# Altium PCB 0020-03_FFT2G.PcbDoc (part 8 of 16)
Units mm, origin at the board's own origin, x right, y up, seen from the top; angles counter-clockwise.
Board outline 195 x 104.5 mm, 12 copper layers (Top Layer, GND1, LVDS1, PWR1, LVDS2, PWR2, LVDS3, PWR3, SIG1, SIG2, GND2, Bottom Layer), stack 1.422 mm thick; 721 components, 650 nets, 4014 pads, 3497 vias.
Unrouted connection lines stored in the file: 78.
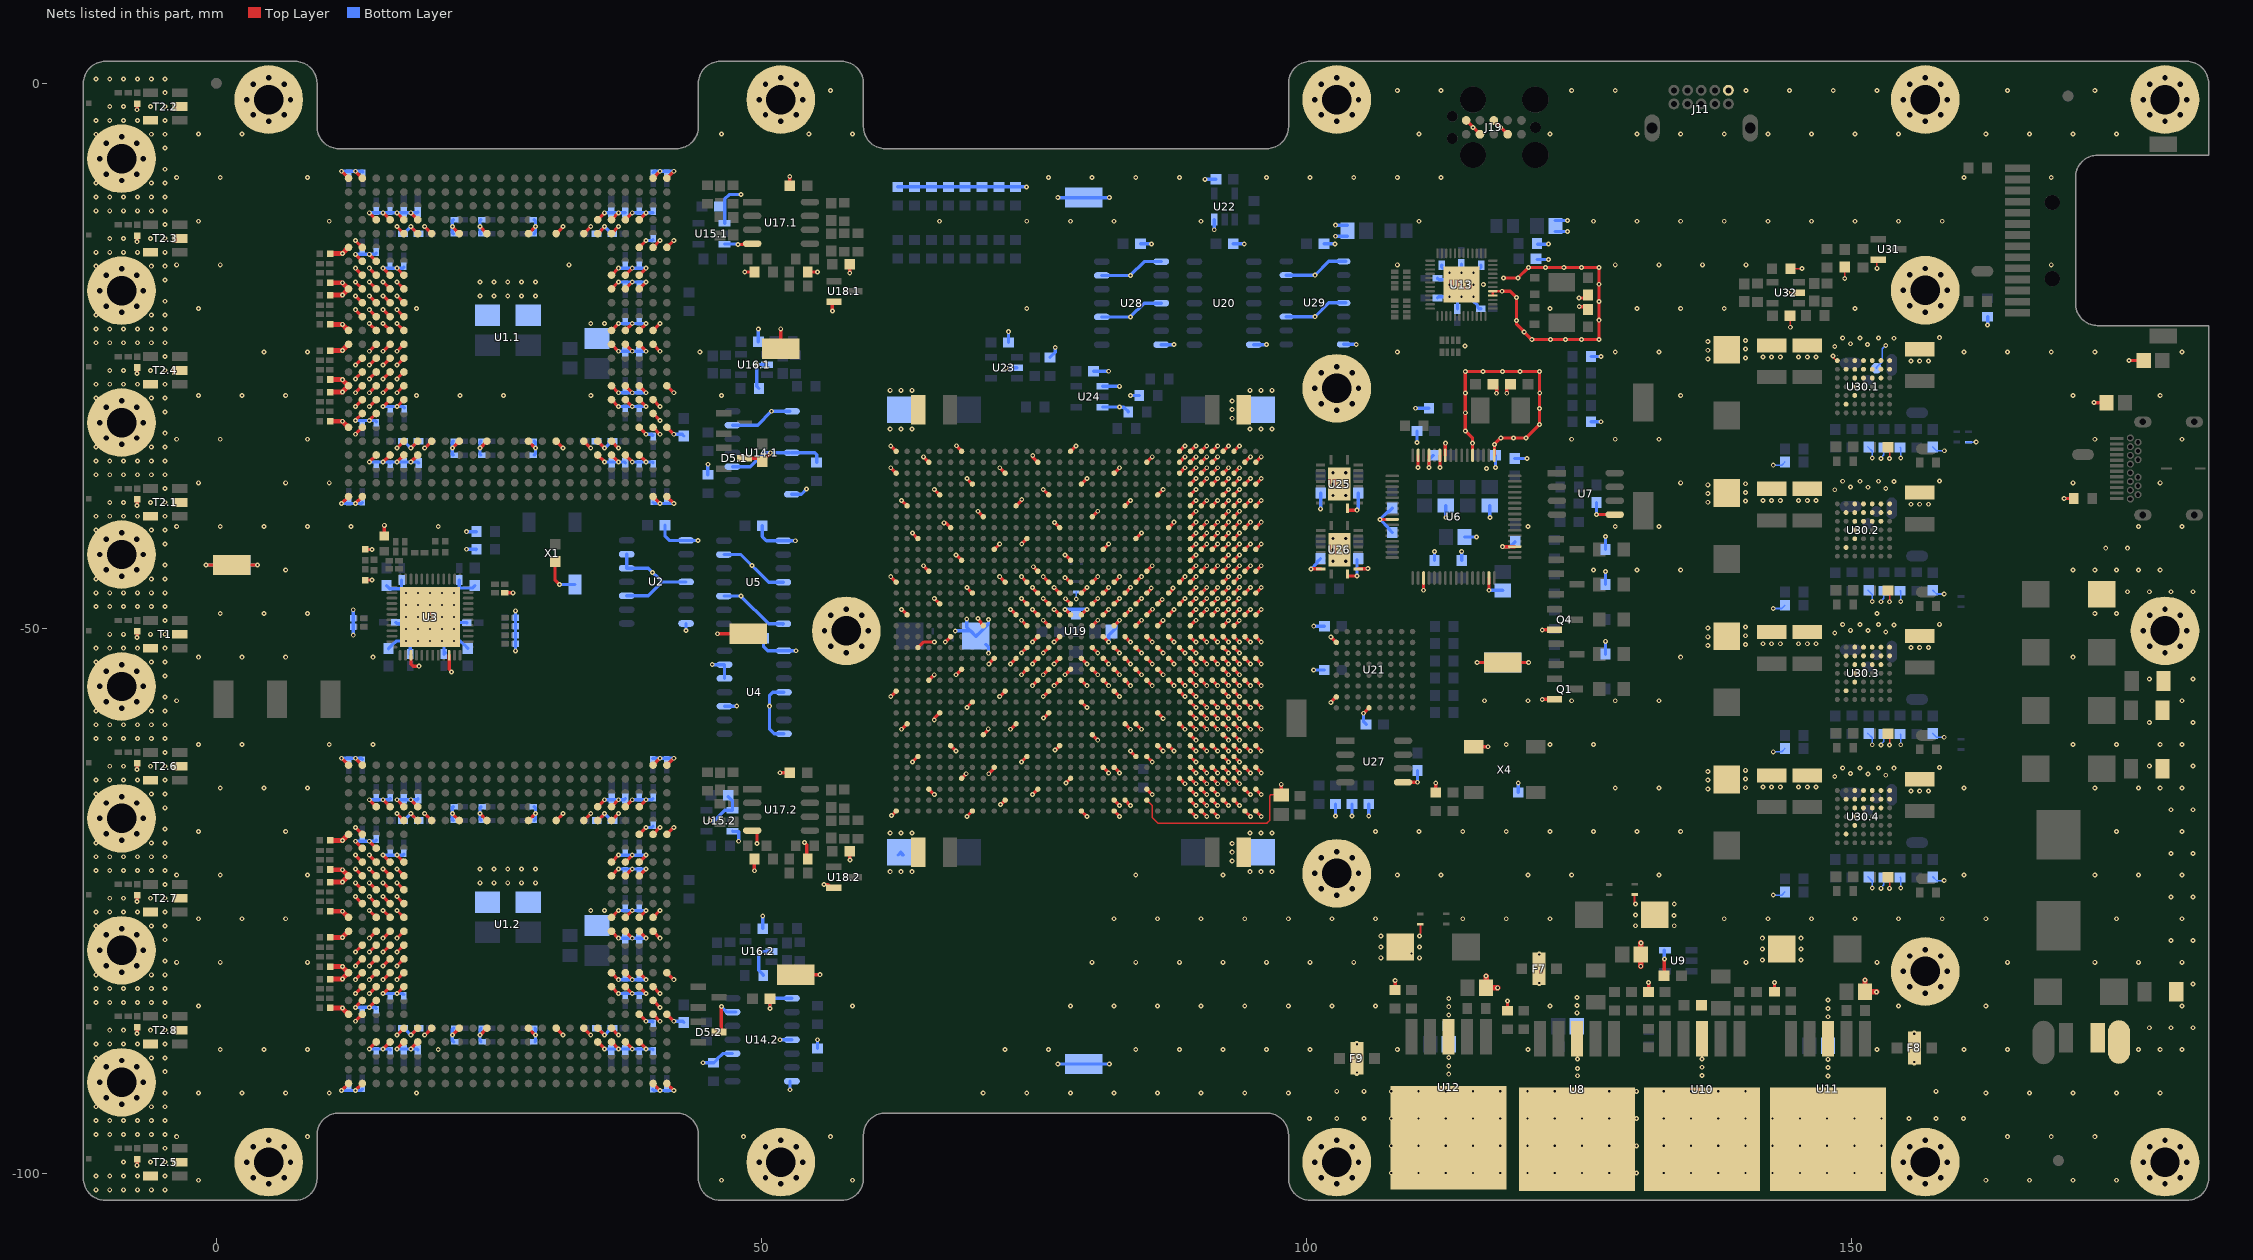
[diagram p18: the nets of this part, all layers, seen from the top]

## Via types
v1: diameter 0.45, hole 0.2, Top Layer to Bottom Layer, tented both sides, 3249 vias
v2: diameter 1, hole 0.5, Top Layer to Bottom Layer, tented both sides, 192 vias
v3: diameter 0.5, hole 0.2, Top Layer to Bottom Layer, tented both sides, 34 vias
v4: diameter 0.6, hole 0.3, Top Layer to Bottom Layer, tented both sides, 12 vias
v5: diameter 0.6, hole 0.2, Top Layer to Bottom Layer, tented both sides, 6 vias
v6: diameter 0.45/0.45/0.45/0.45/0.45/0.45/0.45 (per signal layer), hole 0.2, Top Layer to Bottom Layer, tented both sides, 4 vias

## Nets (pads, with @x,y where several pads share a name; then routed paths per layer and width w, separated by ;. In a path a pad name is that pad's centre, name@x,y a point inside that pad or via, vN(x,y) a via of type N, cw(c..) or ccw(c..) an arc to the next point about the centre after c; other vN are vias at no path point) (continued)
GND: C1.1.2 C1.2.2 C2.1.2 C2.2.2 C3.1.1 C3.2.1 C5.1.1 C5.2.1 C8.1 C9.1 C10.1 C11.1 C13.1 C14.1 C15.1 C16.1 C17.1 C18.1 C21.1 C23.1 C26.2 C28.1 C29.2 C36.1 C37.2 C38.2 C39.2 C40.2 C41.1 C42.2 C43.2 C44.2 C45.1 C46.1 C47.1 C48.1 C49.1 C50.1 C51.1 C52.1 C54.2 C55.2 C57.2 C58.2 C59.2 C61.2 C63.2 C64.2 C65.1 C66.2 C68.2 C69.2 C70.1 C71.2 C72.1 C73.2 C74.1 C75.2 C76.2 C77.2 C78.2 C79.2 C80.2 C81.2 C82.1 C83.1 C84.1.1 C84.2.1 C88.1.1 C88.2.1 C89.1.2 C89.2.2 C90.1.1 C90.2.1 C91.1.1 C91.2.1 C92.1.1 C92.2.1 C93.1.1 C93.2.1 C94.1.1 C94.2.1 C95.1.1 C95.2.1 C96.1.1 C96.2.1 C97.1.1 C97.2.1 C98.1.1 C98.2.1 C99.1.1 C99.2.1 C100.1.1 C100.2.1 C101.1.1 C101.2.1 C102.1.1 C102.2.1 C103.1.1 C103.2.1 C104.1.1 C104.2.1 C105.1.1 C105.2.1 C106.1.1 C106.2.1 C107.1.1 C107.2.1 C108.1.1 C108.2.1 C109.1.1 C109.2.1 C110.1.1 C110.2.1 C111.1.1 C111.2.1 C112.1.1 C112.2.1 C113.1.1 C113.2.1 C114.1.1 C114.2.1 C115.1.1 C115.2.1 C116.1.1 C116.2.1 C117.1.1 C117.2.1 C118.1.1 C118.2.1 C119.1.1 C119.2.1 C120.1.1 C120.2.1 C121.1.1 C121.2.1 C122.1.1 C122.2.1 C123.1.1 C123.2.1 C124.1.1 C124.2.1 C125.1.1 C125.2.1 C126.1.1 C126.2.1 C127.1.1 C127.2.1 C128.1.1 C128.2.1 C129.1.1 C129.2.1 C130.1.1 C130.2.1 C131.1.1 C131.2.1 C132.1.1 C132.2.1 C133.1.1 C133.2.1 C134.1.1 C134.2.1 C135.1.1 C135.2.1 C136.1.1 C136.2.1 C137.1.1 C137.2.1 C138.1.2 C138.2.2 C139.1.1 C139.2.1 C140.1.1 C140.2.1 C141.1.1 C141.2.1 C142.1.1 C142.2.1 C143.1.1 C143.2.1 C144.1.1 C144.2.1 C145.1.1 C145.2.1 C146.1.1 C146.2.1 C147.1.1 C147.2.1 C148.1.1 C148.2.1 C149.1.1 C149.2.1 C150.1.1 C150.2.1 C151.1.1 C151.2.1 C152.1.1 C152.2.1 C153.1.1 C153.2.1 C154.1.1 C154.2.1 C155.1.2 C155.2.2 C156.1.1 C156.2.1 C157.1.1 C157.2.1 C161.2 C162.2 C163.2 C164.2 C165.2 C166.2 C167.1 C168.2 C169.2 C170.2 C171.2 C172.2 C173.2 C174.2 C176.2 C177.1 C178.2 C179.1 C180.1 C181.2 C182.2 C185.2 C187.1.2 C187.2.2 C187.3.2 C187.4.2 C188.1.2 C188.2.2 C188.3.2 C188.4.2 C189.2 C190.2 C191.2 C192.2 C193.1.2 C193.2.2 C193.3.2 C193.4.2 C194.2 C195.1.2 C195.2.2 C195.3.2 C195.4.2 C199.1.2 C199.2.2 C199.3.2 C199.4.2 C200.1.2 C200.2.2 C200.3.2 C200.4.2 C201.1.2 C201.2.2 C201.3.2 C201.4.2 C203.1 C204.1 D5.1.3 D5.2.3 F2.2 F3.1 F4.1 F7.3 F8.3 F9.3 J11.1 J19.3 J19.5 J19.7 J19.9 J20.1.1 J23.1 P1.MH P2.MH P3.MH P4.MH P5.MH P6.MH P7.MH P8.MH P9.MH P10.MH P11.MH P12.MH P13.MH P14.MH P15.MH P16.MH P17.MH P18.MH P19.MH P20.MH P21.2 P25.1 P26.MH P27.MH P28.MH P29.MH P31.1.2 P31.2.2 P31.3.2 P31.4.2 Q1.2 Q4.2 R3.1 R4.1 R5.2 R6.2 R7.2 R8.2 R9.2 R10.2 R11.1 R12.1 R16.2 R18.2 R19.2 R25.1 R28.1 R29.1 R33.2 R40.2 R43.2 R46.2 R47.1.1 R47.2.1 R47.3.1 R47.4.1 R51.2 R56.1 R57.1 R62.1.1 R62.2.1 R64.1.1 R64.2.1 R68.1.1 R68.2.1 R71.1.1 R71.2.1 R76.1.1 R76.2.1 R81.1.1 R81.2.1 R81.3.1 R81.4.1 R81.5.1 R81.6.1 R81.7.1 R81.8.1 R82.1.2 R82.2.2 R82.3.2 R82.4.2 R82.5.2 R82.6.2 R82.7.2 R82.8.2 R83.1.2 R83.2.2 R83.3.2 R83.4.2 R83.5.2 R83.6.2 R83.7.2 R83.8.2 R92.1 R93.1 R94.1 R95.1 R96.1 R97.1 R98.1 R99.1 R102.1 R113.1 R117.1 R118.1 R119.1 R120.1 R125.1 R126.1 R127.1 R128.2 R129.2 R131.1.1 R131.2.1 R131.3.1 R131.4.1 R137.1 R142.2 R143.2 R145.1.2 R145.2.2 R145.3.2 R145.4.2 T1.2 T1.4 T2.1.2 T2.1.4 T2.2.2 T2.2.4 T2.3.2 T2.3.4 T2.4.2 T2.4.4 T2.5.2 T2.5.4 T2.6.2 T2.6.4 T2.7.2 T2.7.4 T2.8.2 T2.8.4 TP1.1 TP2.1 TP3.1 TP4.1 TP5.1 TP7.1 TP8.1 TP9.1 TP10.1 U1.1.A1 U1.1.A6 U1.1.A9 U1.1.A12 U1.1.A13 U1.1.A16 U1.1.A19 U1.1.A24 U1.1.AA4 U1.1.AA8 U1.1.AA9 U1.1.AA12 U1.1.AA13 U1.1.AA16 U1.1.AA17 U1.1.AA21 U1.1.AB4 U1.1.AB6 U1.1.AB8 U1.1.AB9 U1.1.AB12 U1.1.AB13 U1.1.AB16 U1.1.AB17 U1.1.AB19 U1.1.AB21 U1.1.AC1 U1.1.AC6 U1.1.AC7 U1.1.AC8 U1.1.AC12 U1.1.AC13 U1.1.AC19 U1.1.AC24 U1.1.AD1 U1.1.AD6 U1.1.AD9 U1.1.AD19 U1.1.AD24 U1.1.B1 U1.1.B6 U1.1.B7 U1.1.B8 U1.1.B9 U1.1.B10 U1.1.B11 U1.1.B14 U1.1.B15 U1.1.B16 U1.1.B17 U1.1.B18 U1.1.B19 U1.1.B24 U1.1.C4 U1.1.C7 U1.1.C8 U1.1.C9 U1.1.C10 U1.1.C11 U1.1.C12 U1.1.C13 U1.1.C14 U1.1.C15 U1.1.C16 U1.1.C17 U1.1.C18 U1.1.C21 U1.1.D4 U1.1.D8 U1.1.D9 U1.1.D10 U1.1.D11 U1.1.D12 U1.1.D13 U1.1.D14 U1.1.D15 U1.1.D16 U1.1.D17 U1.1.D21 U1.1.E4 U1.1.E5 U1.1.E8 U1.1.E9 U1.1.E10 U1.1.E11 U1.1.E12 U1.1.E13 U1.1.E14 U1.1.E15 U1.1.E16 U1.1.E17 U1.1.E20 U1.1.E21 U1.1.F4 U1.1.F5 U1.1.F20 U1.1.F21 U1.1.G5 U1.1.G20 U1.1.J5 U1.1.J20 U1.1.L5 U1.1.L20 U1.1.P5 U1.1.P20 U1.1.T5 U1.1.T20 U1.1.V5 U1.1.V20 U1.1.W4 U1.1.W5 U1.1.W20 U1.1.W21 U1.1.Y4 U1.1.Y5 U1.1.Y8 U1.1.Y9 U1.1.Y12 U1.1.Y13 U1.1.Y16 U1.1.Y17 U1.1.Y20 U1.1.Y21 U1.2.A1 U1.2.A6 U1.2.A9 U1.2.A12 U1.2.A13 U1.2.A16 U1.2.A19 U1.2.A24 U1.2.AA4 U1.2.AA8 U1.2.AA9 U1.2.AA12 U1.2.AA13 U1.2.AA16 U1.2.AA17 U1.2.AA21 U1.2.AB4 U1.2.AB6 U1.2.AB8 U1.2.AB9 U1.2.AB12 U1.2.AB13 U1.2.AB16 U1.2.AB17 U1.2.AB19 U1.2.AB21 U1.2.AC1 U1.2.AC6 U1.2.AC7 U1.2.AC8 U1.2.AC12 U1.2.AC13 U1.2.AC19 U1.2.AC24 U1.2.AD1 U1.2.AD6 U1.2.AD9 U1.2.AD19 U1.2.AD24 U1.2.B1 U1.2.B6 U1.2.B7 U1.2.B8 U1.2.B9 U1.2.B10 U1.2.B11 U1.2.B14 U1.2.B15 U1.2.B16 U1.2.B17 U1.2.B18 U1.2.B19 U1.2.B24 U1.2.C4 U1.2.C7 U1.2.C8 U1.2.C9 U1.2.C10 U1.2.C11 U1.2.C12 U1.2.C13 U1.2.C14 U1.2.C15 U1.2.C16 U1.2.C17 U1.2.C18 U1.2.C21 U1.2.D4 U1.2.D8 U1.2.D9 U1.2.D10 U1.2.D11 U1.2.D12 U1.2.D13 U1.2.D14 U1.2.D15 U1.2.D16 U1.2.D17 U1.2.D21 U1.2.E4 U1.2.E5 U1.2.E8 U1.2.E9 U1.2.E10 U1.2.E11 U1.2.E12 U1.2.E13 U1.2.E14 U1.2.E15 U1.2.E16 U1.2.E17 U1.2.E20 U1.2.E21 U1.2.F4 U1.2.F5 U1.2.F20 U1.2.F21 U1.2.G5 U1.2.G20 U1.2.J5 U1.2.J20 U1.2.L5 U1.2.L20 U1.2.P5 U1.2.P20 U1.2.T5 U1.2.T20 U1.2.V5 U1.2.V20 U1.2.W4 U1.2.W5 U1.2.W20 U1.2.W21 U1.2.Y4 U1.2.Y5 U1.2.Y8 U1.2.Y9 U1.2.Y12 U1.2.Y13 U1.2.Y16 U1.2.Y17 U1.2.Y20 U1.2.Y21 U2.1 U2.4 U2.7 U2.10 U2.12 U2.13 U3.27 U3.34 U3.49 U4.1 U4.4 U4.7 U4.10 U4.12 U4.13 U5.1 U5.4 U5.7 U5.10 U5.13 U6.1 U6.5 U6.10 U6.11 U6.13 U6.15 U6.25 U6.35 U6.47 U6.51 U7.5 U8.3 U8.6 U9.5 U10.3 U10.6 U11.3 U11.6 U12.3 U12.6 U13.40 U13.41 U13.49 U14.1.1 U14.1.4 U14.1.7 U14.1.10 U14.1.13 U14.2.1 U14.2.4 U14.2.7 U14.2.10 U14.2.13 U15.1.1 U15.1.3 U15.2.1 U15.2.3 U16.1.2 U16.2.2 U17.1.4 U17.2.4 U18.1.2 U18.2.2 U19.A1 U19.A2 U19.A5 U19.A6 U19.A7 U19.A14 U19.A17 U19.A27 U19.A34 U19.AA1 U19.AA2 U19.AA3 U19.AA4 U19.AA5 U19.AA6 U19.AA7 U19.AA9 U19.AA11 U19.AA13 U19.AA15 U19.AA17 U19.AA19 U19.AA21 U19.AA27 U19.AB3 U19.AB4 U19.AB7 U19.AB8 U19.AB12 U19.AB14 U19.AB16 U19.AB18 U19.AB20 U19.AB22 U19.AB24 U19.AB34 U19.AC1 U19.AC2 U19.AC3 U19.AC4 U19.AC5 U19.AC6 U19.AC7 U19.AC11 U19.AC21 U19.AC31 U19.AD3 U19.AD4 U19.AD7 U19.AD18 U19.AD28 U19.AE1 U19.AE2 U19.AE3 U19.AE4 U19.AE5 U19.AE6 U19.AE7 U19.AE15 U19.AE25 U19.AF3 U19.AF4 U19.AF5 U19.AF6 U19.AF7 U19.AF12 U19.AF22 U19.AF32 U19.AG1 U19.AG2 U19.AG3 U19.AG4 U19.AG5 U19.AG6 U19.AG7 U19.AG9 U19.AG19 U19.AG29 U19.AH3 U19.AH4 U19.AH7 U19.AH16 U19.AH26 U19.AJ1 U19.AJ2 U19.AJ3 U19.AJ4 U19.AJ5 U19.AJ6 U19.AJ7 U19.AJ13 U19.AJ23 U19.AJ33 U19.AK3 U19.AK4 U19.AK7 U19.AK10 U19.AK20 U19.AK30 U19.AL1 U19.AL2 U19.AL3 U19.AL4 U19.AL5 U19.AL6 U19.AL7 U19.AL17 U19.AL27 U19.AM3 U19.AM4 U19.AM5 U19.AM6 U19.AM7 U19.AM8 U19.AM14 U19.AM24 U19.AM34 U19.AN1 U19.AN2 U19.AN5 U19.AN6 U19.AN7 U19.AN8 U19.AN11 U19.AN21 U19.AN31 U19.AP3 U19.AP4 U19.AP5 U19.AP6 U19.AP7 U19.AP8 U19.AP18 U19.AP28 U19.AP34 U19.B3 U19.B4 U19.B5 U19.B6 U19.B7 U19.B11 U19.B13 U19.B14 U19.B24 U19.C1 U19.C2 U19.C5 U19.C6 U19.C7 U19.C11 U19.C21 U19.C31 U19.D3 U19.D4 U19.D5 U19.D6 U19.D7 U19.D8 U19.D18 U19.D28 U19.E1 U19.E2 U19.E3 U19.E4 U19.E5 U19.E6 U19.E7 U19.E14 U19.E15 U19.E25 U19.F3 U19.F4 U19.F7 U19.F11 U19.F12 U19.F22 U19.F32 U19.G1 U19.G2 U19.G3 U19.G4 U19.G5 U19.G6 U19.G7 U19.G9 U19.G10 U19.G19 U19.G29 U19.H3 U19.H4 U19.H7 U19.H16 U19.H26 U19.J1 U19.J2 U19.J3 U19.J4 U19.J5 U19.J6 U19.J7 U19.J8 U19.J12 U19.J13 U19.J23 U19.J33 U19.K3 U19.K4 U19.K5 U19.K6 U19.K7 U19.K10 U19.K20 U19.K30 U19.L1 U19.L2 U19.L3 U19.L4 U19.L5 U19.L6 U19.L7 U19.L17 U19.L27 U19.M3 U19.M4 U19.M7 U19.M8 U19.M14 U19.M20 U19.M24 U19.M34 U19.N1 U19.N2 U19.N3 U19.N4 U19.N5 U19.N6 U19.N7 U19.N8 U19.N9 U19.N11 U19.N13 U19.N15 U19.N17 U19.N19 U19.N21 U19.N31 U19.P3 U19.P4 U19.P7 U19.P10 U19.P12 U19.P14 U19.P16 U19.P18 U19.P20 U19.P22 U19.P28 U19.R1 U19.R2 U19.R3 U19.R4 U19.R5 U19.R6 U19.R7 U19.R9 U19.R11 U19.R13 U19.R15 U19.R17 U19.R19 U19.R21 U19.R23 U19.R25 U19.T3 U19.T4 U19.T7 U19.T8 U19.T10 U19.T12 U19.T14 U19.T16 U19.T20 U19.T22 U19.T32 U19.U1 U19.U2 U19.U3 U19.U4 U19.U5 U19.U6 U19.U7 U19.U9 U19.U11 U19.U13 U19.U15 U19.U19 U19.U21 U19.U29 U19.V3 U19.V4 U19.V7 U19.V10 U19.V12 U19.V14 U19.V16 U19.V20 U19.V22 U19.V26 U19.W1 U19.W2 U19.W3 U19.W4 U19.W5 U19.W6 U19.W7 U19.W9 U19.W11 U19.W13 U19.W15 U19.W17 U19.W18 U19.W19 U19.W21 U19.W23 U19.W33 U19.Y3 U19.Y4 U19.Y5 U19.Y6 U19.Y7 U19.Y8 U19.Y10 U19.Y12 U19.Y14 U19.Y16 U19.Y18 U19.Y20 U19.Y22 U19.Y30 U20.7 U21.E8 U21.H2 U21.H7 U22.3 U23.2 U24.1 U24.3 U25.11 U25.21 U26.9 U26.11 U26.12 U26.21 U27.5 U28.1 U28.4 U28.7 U28.10 U28.13 U29.1 U29.4 U29.7 U29.10 U29.13 U30.1.A7 U30.1.B2 U30.1.B6 U30.1.C3 U30.1.C4 U30.1.C5 U30.1.C6 U30.1.C7 U30.1.D5 U30.1.D6 U30.1.D7 U30.1.E5 U30.1.E6 U30.1.E7 U30.1.F5 U30.1.F6 U30.1.F7 U30.1.G6 U30.1.G7 U30.2.B2 U30.2.B6 U30.2.C3 U30.2.C4 U30.2.C5 U30.2.C6 U30.2.C7 U30.2.D5 U30.2.D6 U30.2.D7 U30.2.E5 U30.2.E6 U30.2.E7 U30.2.F5 U30.2.F6 U30.2.F7 U30.2.G6 U30.2.G7 U30.3.B2 U30.3.B6 U30.3.C3 U30.3.C4 U30.3.C5 U30.3.C6 U30.3.C7 U30.3.D5 U30.3.D6 U30.3.D7 U30.3.E5 U30.3.E6 U30.3.E7 U30.3.F5 U30.3.F6 U30.3.F7 U30.3.G6 U30.3.G7 U30.4.B2 U30.4.B6 U30.4.C3 U30.4.C4 U30.4.C5 U30.4.C6 U30.4.C7 U30.4.D5 U30.4.D6 U30.4.D7 U30.4.E5 U30.4.E6 U30.4.E7 U30.4.F5 U30.4.F6 U30.4.F7 U30.4.G6 U30.4.G7 U31.2 U32.2 X1.2 X4.2 | length 1069.6
  Top Layer w0.1: v1(94.849,-28.18) v1(94.849,-28.18)
  Top Layer w0.15: U19.B11@85.375,-65.78 85.875,-66.28 85.875,-67.373 86.407,-67.905 96.385,-67.905 96.639,-67.651 96.639,-65.416 96.759,-65.296 R120.1@97.706,-65.296 ; v1(144.216,-19.221) 144.219,-19.225 U32.2@145.2,-19.225 ; C203.1@144.4,-21.325 144.4,-22.377 v1(144.419,-22.396) ; R137.1@144.45,-17.025 145.472,-17.025 v1(145.486,-17.011) ; v1(148.324,-25.038) 148.381,-25.095 148.381,-25.179 148.594,-25.392 148.596,-25.392 148.654,-25.449 U30.1.A7@148.735,-25.449 ; v1(149.416,-17.908) 149.425,-17.899 C204.1@149.425,-16.875 ; U31.2@152.35,-16.2 152.35,-16.972 v1(152.362,-16.984) ; C201.4.2@153.401,-72.846 153.535,-72.98 v1(153.535,-73.875) ; C201.3.2@153.401,-59.697 153.535,-59.83 v1(153.535,-60.726) ; C201.2.2@153.401,-46.548 153.535,-46.681 v1(153.535,-47.577) ; C201.1.2@153.401,-33.399 153.535,-33.532 v1(153.535,-34.428)
  Top Layer w0.2: 110.475,-77.948 P31.3.2@110.475,-77.175 ; U13.40@117.121,-19.486 U13.41@117.121,-19.086 v1(117.976,-19.086) ; P31.4.2@130.125,-74.45 130.125,-75.223 v1(130.211,-75.309)